# Allegro board LAUNCHXL-CC1350-433.brd (continued)
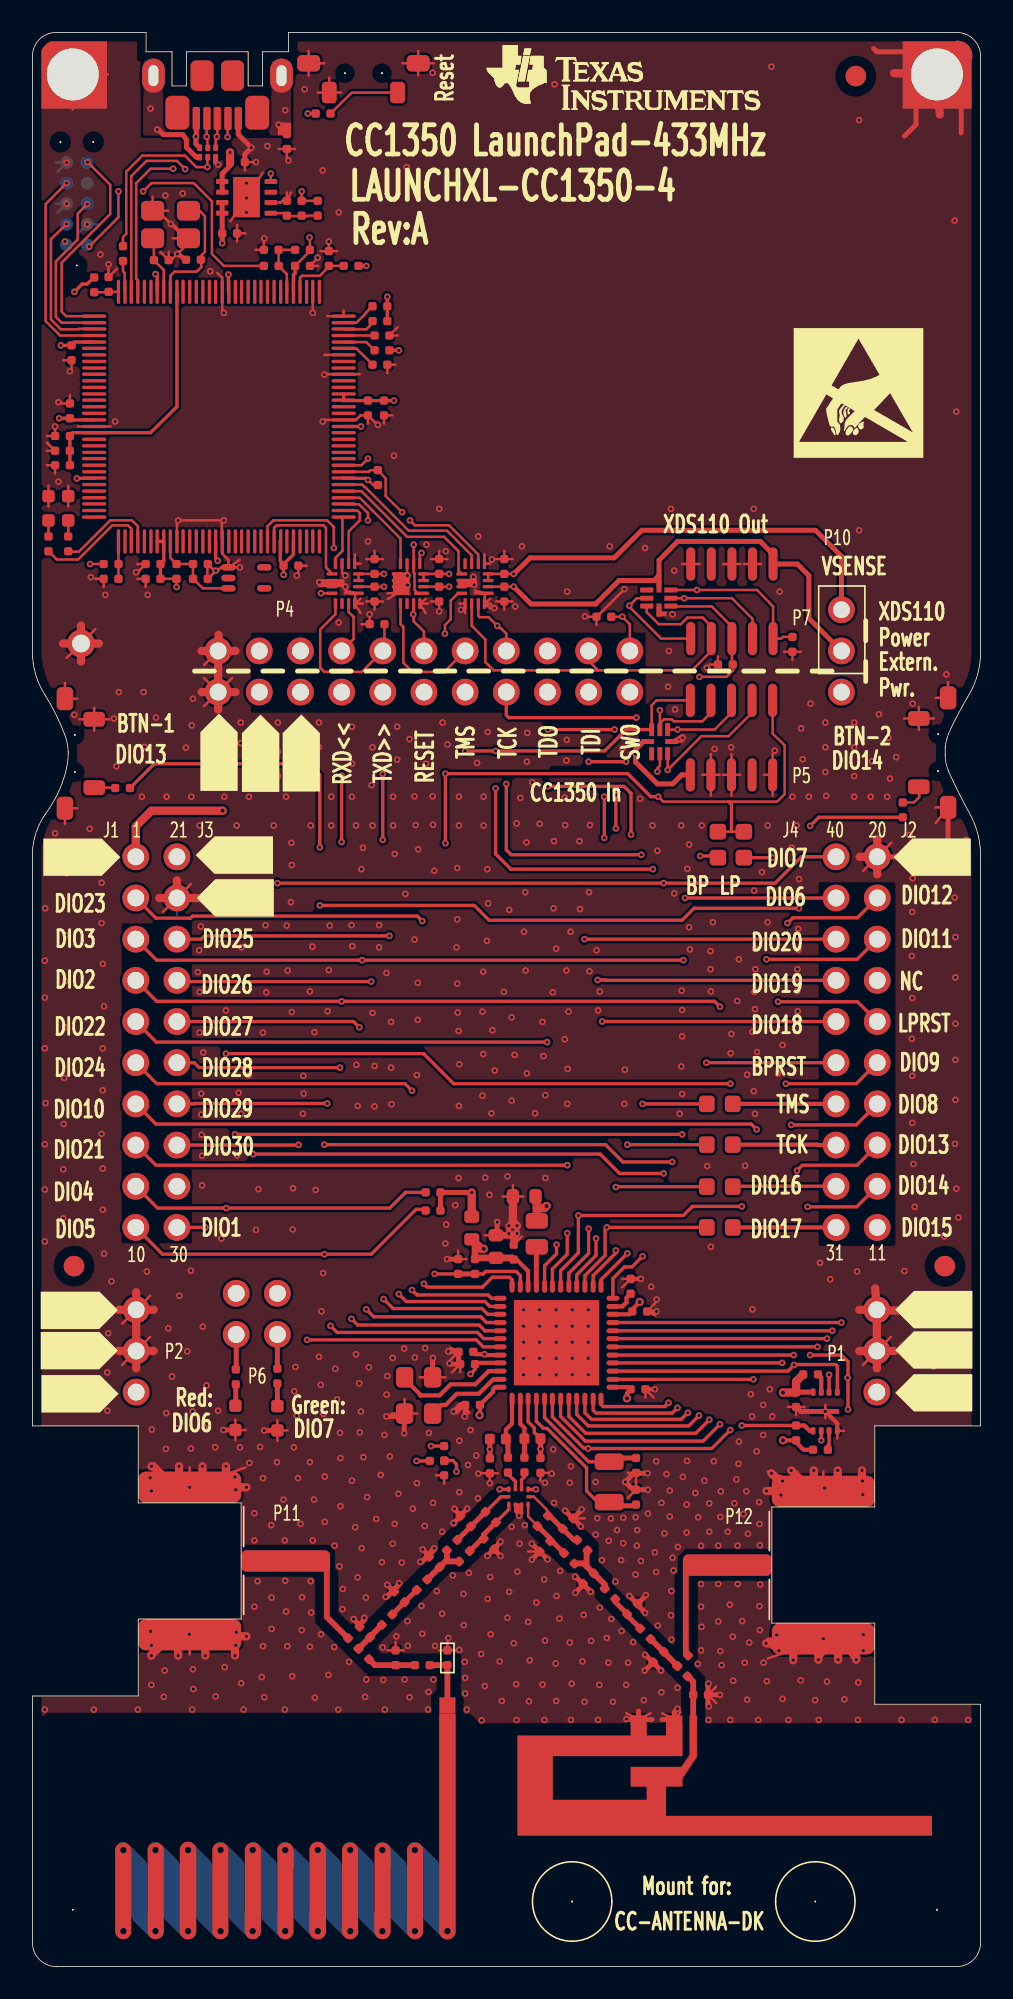
[diagram p0: board, top side]
## Routing (per net, layer and track width the routed paths; a pad name or vN(x,y) marks a point on that pad's centre or on a via; arc(x,y) is an arc through that point) (continued)
VDDC: length 16.2
  TOP w0.203: U5.87 8.92,96.22 8.89,96.19 7.29,94.62 U5.115 2.49,94.62 C43.1 C44.1 C45.1
VDDR: length 25.7
  TOP w0.203: C16.1 27.31,36.83 v1(27.03,36.55)
  TOP w0.254: C16.1 27.38,37.24 U1.45 ; v3(27.58,34.01) 27.58,34.04 27.61,34.06 C9.1 28.42,35.46 28.42,35.61 28.55,35.74 U1.48
  TOP w0.508: 31.12,46.79 31.12,47.42 C8.1 ; 31.12,46.79 L1.2 ; 31.12,46.79 31.6,46.79 v3(31.72,46.91)
  L3 w0.508: 26.37,36.5 26.37,45.77 26.87,46.28 27.81,46.28 28.32,46.79 30.99,46.79 31.12,46.91 v3(31.72,46.91) ; 26.37,36.5 26.37,35.89 27.58,34.67 v3(27.58,34.01) ; 26.37,36.5 26.42,36.55 v1(27.03,36.55)
VDDS: length 46.3
  TOP w0.203: v1(23.7,31.19) R67.1
  TOP w0.254: U1.22 36.83,40.23 C4.1 37.01,40.54 v3(37.47,41) ; C5.1 27.36,37.77 v1(27.89,37.77) 27.94,37.72 U1.44 ; U1.34 30.58,42.9 29.87,43.61 C7.1 ; U1.13 36.78,35.74 C3.1 36.91,35.59 36.68,35.36 v3(36.68,35.05)
  TOP w0.406: C7.1 29.59,43.71 C6.1 27.38,43.71 R1.2 27.31,44.65
  TOP w0.508: v3(27.84,44.27) 27.69,44.27 FL1.1
  L3 w0.203: 28.32,37.34 28.32,33.45 26.06,31.19 v1(23.7,31.19)
  L3 w0.305: 28.32,37.34 v1(27.89,37.77)
  L3 w0.508: 27.89,42.85 27.94,42.9 35.56,42.9 36.68,41.78 36.68,40.97 ; 27.89,42.85 27.89,43.61 27.84,43.66 v3(27.84,44.27) ; 27.89,42.85 v1(27.89,37.77) ; v3(37.47,41) 36.7,41 36.68,40.97 ; 36.68,40.97 v3(36.68,35.05)
CC1350_RESET: length 77
  TOP w0.152: R51.2 R52.1 ; P5.10 45.67,76.05 46.41,75.34 46.41,72.31 45.95,71.86 38.91,71.86 v1(38.61,72.16) ; v1(38.56,73.71) 38.56,73.91 38.71,74.07 CR8.2
  TOP w0.203: R1.1 27.81,42.72 27.97,42.88 29.85,42.88 30.1,42.62 U1.35 ; v1(38.61,72.16) 38.15,72.16 36.73,73.58 v1(25.48,73.58) v1(25.48,69.29) ; 42.95,71.86 43.13,71.68 43.13,70 ; C20.1 v1(24.82,42.72)
  TOP w0.305: R1.1 C20.1
  L3 w0.152: v1(38.61,72.16) 38.61,73.18 38.56,73.23 v1(38.56,73.71)
  L3 w0.203: v1(25.48,69.29) 25.48,52.96 24.82,52.3 v1(24.82,42.72) ; P4.12 24.16,75.72 25.48,74.4 v1(25.48,73.58)
CC1350_RXD: length 93.5
  TOP w0.203: U1.7 32.59,33.93 34.11,32.41 41.38,32.41 v1(42.42,33.45) ; J1.7 7.67,59.54 v1(19.08,59.54) 42.09,59.54 v1(42.42,59.21) ; v1(19.08,69.37) v1(19.08,73.46)
  L3 w0.203: P4.16 v1(19.08,73.46) ; v1(42.42,33.45) v1(42.42,59.21) ; v1(19.08,69.37) v1(19.08,59.54)
CC1350_SW_PWR: length 46.3
  TOP w0.203: v1(16.94,38.66) 27.38,38.66 27.81,38.23 U1.43 ; J1.16 16.41,50.67 v1(16.42,50.69) ; v1(24.59,32.11) R69.2
  L3 w0.203: v1(16.42,50.69) 16.94,50.16 v1(16.94,38.66) 16.94,33.1 17.93,32.11 v1(24.59,32.11)
CC1350_SWO: length 52.7
  TOP w0.203: v1(34.77,44.91) 34.77,43.87 33.58,42.67 U1.28 ; J2.9 v1(35.15,58.29) ; v1(35.28,69.62) v1(35.28,72.16)
  L3 w0.203: P4.2 36.86,78.16 36.35,77.65 36.35,77.62 35.28,76.56 v1(35.28,72.16) ; v1(35.28,69.62) 35.28,65.13 35.64,64.77 35.64,58.78 v1(35.15,58.29) 34.77,57.91 v1(34.77,44.91)
CC1350_TCK: length 67.4
  TOP w0.152: 38.71,76.68 38.96,76.94 39.45,76.94 39.57,76.81 41.33,76.81 41.86,77.34 P5.4 ; 38.71,76.68 v1(38.71,77.5) ; 38.71,76.68 CR8.6
  TOP w0.203: 29.24,78.61 29.24,77.19 29.39,77.04 v1(37.26,77.04) ; v1(36.7,43.99) 35.08,42.37 U1.25 ; v1(36.7,50.7) R47.2 ; v1(29.24,72.95) 29.24,68.88 29.54,68.58 v1(37.57,68.58)
  L3 w0.203: v1(38.71,77.5) 38.25,77.04 v1(37.26,77.04) ; v1(37.57,68.58) 37.57,56.46 37.08,55.98 37.08,52.2 36.7,51.82 v1(36.7,50.7) v1(36.7,43.99) ; v1(29.24,72.95) 29.24,78.61
CC1350_TMS: length 67.9
  TOP w0.152: CR8.7 38.2,77.8 38.51,78.1 P5.2
  TOP w0.203: CR8.7 36.63,76.3 35.31,74.98 v1(28.58,74.98) v1(26.7,74.98) ; U1.24 35.81,42.44 36.53,43.15 36.98,43.15 v1(37.64,43.81) ; R46.2 v1(37.64,53.21) ; v1(28.58,72.67) 28.58,68.63 29.51,67.69 v1(38.28,67.69)
  L3 w0.203: v1(38.28,67.69) 38.28,55.6 37.64,54.97 v1(37.64,53.21) v1(37.64,43.81) ; v1(28.58,72.67) v1(28.58,74.98) ; P4.10 v1(26.7,74.98)
CC1350_TXD: length 90.9
  TOP w0.203: U1.8 33.1,33.93 34.14,32.89 40.92,32.89 v1(41.76,33.73) ; J1.5 7.67,62.08 v1(20.35,62.08) v1(40.16,62.08) ; v1(21.62,69.49) v1(21.62,73.56)
  L3 w0.203: v1(21.62,69.49) 21.62,67.08 20.35,65.81 v1(20.35,62.08) ; v1(21.62,73.56) 21.62,78.61 ; v1(41.76,33.73) 41.76,43.69 40.77,44.68 40.77,61.47 v1(40.16,62.08)
CC1350_VDD: length 157.6
  TOP w0.254: R59.2 47.57,31.88 47.12,32.33 R11.2 v3(46.3,32.46)
  TOP w0.305: U4.8 C30.1 ; v1(27.1,47.75) R2.2 R3.2 ; CR8.8 37.69,75.56 37.21,75.06 v1(37.21,74.8) 37.21,74.29 38.56,72.95 39.5,72.95 40.06,73.51 P5.1
  TOP w0.508: J1.1 6.38,70.33 7.34,71.3 v3(11.73,71.3) ; v3(46.3,35.41) 47.09,35.41 C30.1 47.12,36.09 R60.2 ; FL1.2 v1(27.1,47.75)
  L3 w0.254: v3(46.3,35.41) v3(46.3,32.46)
  L3 w0.305: v1(37.21,74.8) 39.12,74.8 39.7,74.22 39.7,71.5 39.5,71.3
  L3 w0.508: 27.1,71.3 16.54,71.3 ; 27.1,71.3 v1(27.1,47.75) ; 27.1,71.3 49.91,71.3 ; 16.54,71.3 P4.18 ; 16.54,71.3 v3(11.73,71.3) ; 49.91,71.3 P10.3 ; 49.91,71.3 54,71.3 55.7,69.6 55.7,45.87 54.84,45.01 54.84,36.14 54.31,35.61 52.27,35.61 P1.1 46.99,35.43 46.96,35.41 v3(46.3,35.41)
DCDC_SW: length 2.4
  TOP w0.305: L1.1 31.09,44.37 U1.33
DIO1_RF_SW: length 85.8
  TOP w0.203: U1.6 32.08,33.91 34.01,31.98 34.26,31.98 v1(34.29,31.95) 41.91,31.95 v1(43.05,33.1) ; v1(11.94,56.31) 24.13,56.31 25.98,54.46 v1(43.05,54.46) ; v1(31.06,29.44) U11.6 ; J1.20 v1(10.67,45.59)
  L3 w0.203: v1(43.05,33.1) v1(43.05,54.46) ; v1(11.94,56.31) 11.15,55.52 11.15,46.08 v1(10.67,45.59) ; v1(34.29,31.95) 33.96,31.62 33.96,29.64 33.43,29.11 31.39,29.11 v1(31.06,29.44)
DIO4_SCL: length 78
  TOP w0.203: R2.1 23.01,47.75 22.05,46.79 v1(11.96,46.79) 7.72,46.79 J1.17 ; v1(12.5,51.33) v1(40.08,51.33) ; U1.9 33.58,34.06 34.29,33.35 40.49,33.35 v1(41.12,33.99)
  L3 w0.203: v1(41.12,33.99) 41.12,43.1 40.08,44.15 v1(40.08,51.33) ; v1(11.96,46.79) 11.96,50.8 v1(12.5,51.33)
DIO5_SDA: length 71.8
  TOP w0.203: R3.1 24.18,46.71 23.67,46.71 20.9,43.94 v1(18.01,43.94) 8.03,43.94 J1.19 ; v1(39.47,49.63) 36.42,49.63 35.36,50.7 v1(18.01,50.7) ; U1.10 34.09,34.16 34.49,33.76 40.03,33.76 v1(40.44,34.16)
  L3 w0.203: v1(18.01,50.7) v1(18.01,43.94) ; v1(39.47,49.63) 39.47,43.76 40.44,42.8 v1(40.44,34.16)
DIO6_RLED: length 82.6
  TOP w0.203: U1.11 34.59,34.32 34.77,34.14 39.47,34.14 v1(39.8,34.47) ; v1(38.94,48.92) 36.22,48.92 35.03,50.11 v1(13.61,50.11) ; J2.3 v1(40.26,65.91)
  L3 w0.203: v1(39.8,34.47) 39.8,42.52 38.94,43.38 v1(38.94,48.92) 38.94,53.95 39.45,54.46 39.45,65.1 v1(40.26,65.91) ; P6.2 12.67,41.63 12.67,49.17 v1(13.61,50.11)
DIO7_GLED: length 97.8
  TOP w0.203: v1(15.11,66.83) v1(38.94,66.83) 45.82,66.83 47.45,68.45 J2.1 ; v1(39.24,34.77) 39.01,34.54 35.2,34.54 35.08,34.67 U1.12
  L3 w0.203: v1(38.94,66.83) 38.94,55.27 38.3,54.64 38.3,42.8 39.24,41.86 v1(39.24,34.77) ; P6.4 v1(15.11,66.83)
DIO8_MISO: length 45.1
  TOP w0.203: 50.32,36.35 v1(50.32,34.37) ; 50.32,36.35 50.32,37.31 49.91,37.72 v1(47.98,37.72) ; 50.32,36.35 v1(50.29,36.32) ; U4.2 v1(48.67,32.46) ; J2.14 50.83,51.92 v1(46.81,51.92) ; U1.14 v1(44.48,36.22)
  L3 w0.203: v1(44.48,36.22) 46.1,36.22 46.33,35.99 49.96,35.99 v1(50.29,36.32) ; v1(46.81,51.92) 46.33,51.44 46.33,42.11 47.98,40.46 v1(47.98,37.72) ; v1(50.32,34.37) 50.32,32.66 50.11,32.46 v1(48.67,32.46)
DIO9_MOSI: length 40.3
  TOP w0.203: U4.5 49.66,37.03 49.56,37.13 47.02,37.13 v1(46.99,37.11) 46.61,36.73 35.81,36.73 ; J2.12 50.83,54.46 v1(46.48,54.46)
  L3 w0.203: v1(46.99,37.11) 47.04,37.11 47.47,37.54 47.47,40.34 45.92,41.88 45.92,53.9 v1(46.48,54.46)
DIO10_SCLK: length 69
  TOP w0.203: J1.13 7.62,51.97 44.35,51.97 v1(44.68,51.64) ; v1(49.15,36.5) U4.6 ; U1.16 v1(46.25,37.24)
  L3 w0.203: v1(44.68,51.64) 44.68,41.43 46.25,39.85 v1(46.25,37.24) 46.25,36.78 46.53,36.5 v1(49.15,36.5)
DIO11_CS: length 43.6
  TOP w0.203: U1.17 v1(46.96,37.72) ; v1(45.29,62.13) 50.88,62.13 J2.6
  L3 w0.203: v1(45.29,62.13) 45.29,41.58 46.96,39.9 v1(46.96,37.72)
DIO12: length 46.2
  TOP w0.203: U1.18 v1(48.44,38.23) ; v1(46.58,64.36) 46.91,64.69 50.9,64.69 J2.4
  L3 w0.203: v1(48.44,38.23) 48.44,40.64 46.71,42.37 46.71,50.67 47.27,51.23 47.27,57.58 46.58,58.27 v1(46.58,64.36)
DIO13_BTN1: length 97.5
  TOP w0.203: v1(17.73,65.46) 27.25,65.46 28.17,64.54 40.08,64.54 40.82,65.28 v1(47.29,65.28) ; v1(49.02,38.73) U1.19 ; J2.16 50.88,49.43 47.5,49.43 v1(47.17,49.1) ; v1(17.73,69.04) 17.73,73.51 17.04,74.19 7.52,74.19 R56.2
  L3 w0.203: v1(47.29,65.28) 47.78,64.8 47.78,50.8 47.17,50.19 v1(47.17,49.1) 47.17,42.47 48.79,40.84 48.79,38.96 v1(49.02,38.73) ; v1(17.73,65.46) v1(17.73,69.04)
DIO14_BTN2: length 56.3
  TOP w0.203: v1(47.83,46.86) 50.85,46.86 J2.18 ; R55.2 48.51,70.89 v1(47.98,70.36) ; U1.20 v1(49.35,39.22)
  L3 w0.203: v1(49.35,39.22) 49.35,41.2 47.83,42.72 v1(47.83,46.86) 48.16,47.19 48.16,69.72 47.98,69.9 v1(47.98,70.36)
DIO15: length 21.7
  TOP w0.203: U1.21 v1(49.91,39.73)
  L3 w0.203: v1(49.91,39.73) 49.91,43.97 50.44,44.5 51.77,44.5 51.97,44.7 51.97,45.44 J2.20
DIO16_TDO: length 61.6
  TOP w0.152: CR8.5 v1(39.8,76.3) 42.09,76.3 43.13,77.34 P5.6
  TOP w0.203: v1(35.99,44.17) 35.99,44.02 34.59,42.62 U1.26 ; v1(35.92,76.3) v1(31.8,76.3) ; v1(31.8,72.8) 36.5,72.8 36.93,72.36 v1(36.93,69.82) ; R48.2 36.17,48.11 36.14,48.08 v1(35.99,48.08)
  L3 w0.203: v1(35.92,76.3) v1(39.8,76.3) ; 31.78,78.61 31.78,76.33 v1(31.8,76.3) v1(31.8,72.8) ; v1(35.99,44.17) v1(35.99,48.08) 35.99,56.24 36.96,57.2 36.96,67.67 36.5,68.12 36.5,69.39 v1(36.93,69.82)
DIO17_TDI: length 57.6
  TOP w0.152: CR8.3 v1(39.19,73.81) 41.28,75.9 42.95,75.9 44.4,77.34 P5.8
  TOP w0.203: R49.2 v1(35.43,45.59) 35.33,45.49 35.33,43.87 34.09,42.62 U1.27 ; v1(35.99,70.21) v1(35.99,72.26) ; v1(36.63,74.32) v1(34.32,74.32)
  L3 w0.152: 38.68,74.32 v1(39.19,73.81)
  L3 w0.203: 38.68,74.32 v1(36.63,74.32) 35.99,73.69 v1(35.99,72.26) ; v1(35.99,70.21) 35.99,65.3 36.3,65 36.3,57.91 35.43,57.05 v1(35.43,45.59) ; v1(34.32,74.32) P4.4
DIO19_CTS: length 34.4
  TOP w0.203: U1.29 33.1,42.77 34.32,43.99 v1(34.32,45.52) ; J2.7 35.36,60.83 35.33,60.86 v1(34.87,60.86)
  L3 w0.203: v1(34.87,60.86) 34.32,60.3 v1(34.32,45.52)
DIO20_FLASH_CS: length 65.9
  TOP w0.203: J2.5 v1(34.06,63.37) ; U1.30 32.59,42.93 33.68,44.02 v1(33.68,46.33) 40.16,46.33 40.72,46.89 v1(43.76,46.89) ; v1(43.76,33.38) R11.1
  TOP w0.254: U4.1 47.96,33.05 47.62,33.38 R11.1
  L3 w0.203: v1(43.76,46.89) v1(43.76,33.38) ; v1(33.68,46.33) 33.68,62.99 v1(34.06,63.37)
DIO21: length 35
  TOP w0.203: J1.15 7.62,49.43 v1(32.99,49.43) ; v1(32.99,45.24) 32.99,43.94 32.08,43.03 U1.31
  L3 w0.203: v1(32.99,49.43) v1(32.99,45.24)
DIO22: length 41.5
  TOP w0.203: J1.9 7.65,57.02 v1(31.75,57.02) ; U1.32 31.6,43.23 32.33,43.97 v1(32.33,44.53)
  L3 w0.203: v1(32.33,44.53) 32.33,56.44 v1(31.75,57.02)
DIO23_ANALOG: length 47.6
  TOP w0.203: v1(24.16,42.11) 24.36,41.91 27.76,41.91 28.37,42.52 29.44,42.52 29.59,42.37 U1.36 ; J1.3 7.62,64.67 9.75,64.67 9.88,64.8 23.75,64.8 v1(24.05,64.49)
  L3 w0.203: v1(24.16,42.11) 24.16,53.11 24.87,53.82 24.87,63.68 v1(24.05,64.49)
DIO24_ANALOG: length 35.7
  TOP w0.203: v1(23.42,41.73) 23.72,41.43 28.12,41.43 28.32,41.22 U1.37 ; J1.11 7.67,54.46 22.99,54.46 v1(23.42,54.03)
  L3 w0.203: v1(23.42,41.73) v1(23.42,54.03)
DIO25_ANALOG: length 42.1
  TOP w0.203: U1.38 28.22,40.72 27.91,41.02 23.06,41.02 v1(22.61,41.48) ; J1.6 10.41,63.37 10.62,63.58 v1(22.02,63.58)
  L3 w0.203: v1(22.61,41.48) 22.61,63.02 22.35,63.27 22.33,63.27 v1(22.02,63.58)
DIO26_ANALOG: length 39.5
  TOP w0.203: v1(21.67,41.17) 22.25,40.59 27.74,40.59 28.09,40.23 U1.39 ; J1.8 8.99,60.76 v1(20.9,60.76)
  L3 w0.203: v1(21.67,41.17) 21.67,59.99 v1(20.9,60.76)
DIO27_ANALOG: length 37.6
  TOP w0.203: v1(20.6,40.54) 21.06,40.08 27.66,40.08 28.02,39.73 U1.40 ; J1.10 19.81,58.29 v1(20.17,57.94)
  L3 w0.203: v1(20.6,40.54) 20.6,57.51 v1(20.17,57.94)
DIO28_ANALOG: length 35.4
  TOP w0.203: v1(19.69,39.95) 20.07,39.57 27.56,39.57 27.91,39.22 U1.41 ; v1(18.97,55.45) 10.29,55.45 9.98,55.75 J1.12
  L3 w0.203: v1(19.69,39.95) 19.69,40 19.58,40.11 19.58,54.84 v1(18.97,55.45)
DIO29_ANALOG: length 34.3
  TOP w0.203: U1.42 27.84,38.73 27.46,39.12 18.8,39.12 v1(18.39,39.52) ; v1(18.19,53.24) 10.01,53.24 9.98,53.21 J1.14
  L3 w0.203: v1(18.39,39.52) 18.87,40 18.87,52.55 v1(18.19,53.24)
IRSTN: length 17.3
  TOP w0.152: v1(5.31,109.5) 5.31,107.9 v1(3.51,106.1) ; v1(6.83,109.5) 7.34,110.01 9.96,110.01 11.07,108.89 11.07,105.64 11.81,104.9 R20.2
  L3 w0.152: v1(5.31,109.5) v1(6.83,109.5)
ITCK: length 12.4
  TOP w0.152: U5.100 1.7,100.61 0.81,101.5 0.81,108.71 v1(2.11,110.01)
ITDI: length 10.3
  TOP w0.152: U5.98 1.8,101.4 1.45,101.75 1.45,105.18 2.79,106.53 2.79,108.13 v1(3.38,108.71)
ITDO: length 13.2
  TOP w0.152: v1(3.4,111.3) 4.8,109.91 4.8,108.1 1.8,105.11 1.8,102.08 2.08,101.8 U5.97
ITMS: length 9.2
  TOP w0.152: U5.99 2.84,101.02 2.82,100.99 1.75,100.99 1.14,101.6 1.14,106.55 v1(2.11,107.49)
LP_RESET: length 17.4
  TOP w0.203: v1(45.67,68.4) R51.1 ; v1(46,59.51) 50.9,59.51 J2.10
  L3 w0.203: v1(45.67,68.4) 46,68.07 v1(46,59.51)
Net_7: length 1.7
  TOP w0.152: 19.2,92.61 20.29,92.61 v1(20.7,93.01)
Net_24:
  vias: v2(21.59,7.19) v2(23.6,2.18)
Net_25:
  vias: v2(19.61,7.19) v2(21.59,2.18)
Net_26:
  vias: v2(17.6,7.19) v2(19.61,2.18)
Net_27:
  vias: v2(15.6,7.19) v2(17.6,2.18)
Net_28:
  vias: v2(13.59,7.19) v2(15.6,2.18)
Net_29:
  vias: v2(11.61,7.19) v2(13.59,2.18)
Net_30:
  vias: v2(9.6,7.19) v2(11.61,2.18)
Net_31:
  vias: v2(7.59,7.19) v2(9.6,2.18)
Net_32:
  vias: v2(5.61,7.19) v2(5.61,2.18) v2(7.59,2.18)
Net_33:
  vias: v2(23.6,7.19) v2(25.6,2.18)
USB_DM: length 14.1
  TOP w0.152: CR6.5 10.8,112.19 10.8,112.83 v1(10.74,112.88) 10.74,114 J6.2 ; U5.93 6.5,104.01 6.4,104.11 6.4,110.01 7.29,110.9 v1(8.69,110.9)
  L3 w0.152: v1(8.69,110.9) 9.07,111.2 v1(10.74,112.88)
USB_DP: length 15.7
  TOP w0.152: J6.3 11.4,112.9 v1(11.38,112.88) 11.3,112.8 CR6.4 ; v1(9.42,110.87) 8.92,111.38 7.04,111.38 6.1,110.44 U5.94
  L3 w0.152: v1(11.38,112.88) v1(9.42,110.87)
USB_ID: length 14.6
  TOP w0.152: CR6.2 10.8,111.61 v1(10.8,111) 10.11,111 9.4,111.71 6.78,111.71 5.79,110.72 5.79,106.88 5.59,106.68 R19.2 ; J6.4 12.04,114 v1(12.04,112.85)
  L3 w0.152: v1(12.04,112.85) 11.73,112.55 11.68,112.55 10.8,111.66 v1(10.8,111)
USB_VBUS: length 56.2
  TOP w0.152: R22.2 v1(3.56,86.51) ; U7.8 v1(14.71,110.59)
  TOP w0.203: v1(2.59,103.3) 3.07,103.78 3.38,103.78 R66.1
  TOP w0.305: U7.2 U7.1 11.71,110.59 12.19,111.07 C48.1 ; J6.1 10.11,112.9 v1(10.08,112.88) 10.08,112.42 CR6.6
  TOP w0.508: v1(12.19,111.91) C48.1
  L3 w0.508: 11.23,110.11 4.7,110.11 3.94,109.35 1.85,109.35 0.76,108.25 0.76,103.4 ; 0.76,103.4 0.84,103.3 v1(2.59,103.3) ; 0.76,103.4 0.76,89.31 v1(3.56,86.51) 4.17,86.51 7.37,83.31 11.86,83.31 P4.19
V-SENSE: length 41.6
  TOP w0.152: v1(21.69,85.12) C53.1 U8.2 ; U10.2 C55.1 v1(25.7,85.12) ; U9.2 C57.1 v1(29.69,85.12)
  TOP w0.305: 38.66,85.8 38.66,86.74 39.8,87.91 44.91,87.91 45.69,87.1 P7.1 47.19,86.51 47.9,85.8 47.9,83.16 P10.2 ; 38.66,85.8 38.35,85.5 36.2,85.5 34.75,84.05 30.76,84.05 v1(29.69,85.12) ; 38.66,85.8 CR7.8
  L3 w0.305: v1(29.69,85.12) 29.21,85.12 28.83,84.71 26.57,84.71 26.19,85.12 v1(25.7,85.12) 25.22,85.12 24.82,84.71 22.89,84.71 22.83,84.76 22.05,84.76 v1(21.69,85.12)
XDS_RESET: length 11.6
  TOP w0.152: U5.40 20.75,92.2 20.85,92.3 R58.1 21.79,91.8 21.79,90.7 v1(22.81,89.71) ; U10.1 23.77,84.71 23.57,84.91 23.57,85.93 23.52,86 U10.6 v1(23.52,87.71)
  L3 w0.152: v1(23.52,87.71) 23.8,87.99 23.8,89.41 23.5,89.71 v1(22.81,89.71)
XDS_RESET_LS: length 64.6
  TOP w0.152: R57.2 v1(16.99,114.3) ; v1(23.5,83.41) 23.5,84.07 U10.15 23.52,82.98 24.16,82.35 P4.11 ; CR7.2 37.29,84.4 v1(36.83,83.95) 36.83,83.87 38.79,81.92 P7.10
  L3 w0.152: v1(16.99,114.3) 22.78,114.3 23.75,113.33 23.75,90.17 24.43,89.48 25.27,89.48 25.3,89.51 26.9,89.51 30.3,86.11 30.3,84.96 29.87,84.53 ; 29.87,84.53 29.51,84.53 29.29,84.3 24.41,84.3 v1(23.5,83.41) ; 29.87,84.53 30.53,84.53 30.76,84.3 36.47,84.3 v1(36.83,83.95)
XDS_RX: length 3.1
  TOP w0.152: U8.8 18.69,86.89 19.13,87.33 19.13,89.33 U5.33
XDS_RX_LS: length 10.5
  TOP w0.152: R61.2 21.72,81.25 20.32,79.86 18.01,79.86 17.75,80.11 17.75,82.47 18.69,83.41 U8.13
XDS_SWO: length 7.2
  TOP w0.152: U8.9 18.11,86.31 18.11,88.75 17.96,88.9 15.06,88.9 14.91,88.75 U5.25
XDS_SWO_LS: length 23.8
  TOP w0.152: U8.12 v1(17.81,84.71) ; P4.1 36.86,82.8 v1(36.4,83.26) R62.2
  L3 w0.152: v1(36.4,83.26) 35.81,83.85 30.89,83.85 30.28,83.24 27.43,83.24 26.9,82.7 19.81,82.7 v1(17.81,84.71)
XDS_TCK: length 10.4
  TOP w0.152: v1(23.29,89.2) 23.6,88.9 25.7,88.9 27.51,87.1 U9.6 ; v1(20.7,89.2) 20.7,89.66 20.14,90.2 19.2,90.2 U5.35
  L3 w0.152: v1(23.29,89.2) v1(20.7,89.2)
XDS_TDI: length 10.2
  TOP w0.152: U5.38 20.35,91.41 20.5,91.26 20.52,91.26 23.22,88.57 25.58,88.57 27.1,87.05 U9.7
XDS_TDI_LS: length 26.6
  TOP w0.152: P4.3 34.34,81.13 34.34,80.52 34.9,79.96 ; 34.9,79.96 40.69,79.96 41.88,81.15 P7.8 41.88,82.65 41.35,83.21 40.41,83.21 40.01,82.8 38.63,82.8 37.9,83.54 CR7.3 ; 34.9,79.96 28.45,79.96 27.94,80.47 27.94,81.86 27.1,82.7 U9.14
XDS_TDO: length 10.1
  TOP w0.152: U5.37 20.29,91.01 23.11,88.19 25.4,88.19 26.29,87.3 26.29,86.11 U9.9
XDS_TDO_LS: length 31.6
  TOP w0.152: 43.23,80.31 R63.2 43.23,80.31 ; 43.23,80.31 43.23,79.96 42.82,79.55 v1(41.15,79.55) ; 43.23,80.31 43.15,80.37 P7.6 43.15,82.65 41.91,83.9 39.4,83.9 CR7.5 ; v1(25.45,82.22) 25.45,82.75 25.81,83.11 25.81,84.25 26.26,84.71 U9.12
  L3 w0.152: 40.36,79.93 40.74,79.55 v1(41.15,79.55) ; 31.89,79.93 25.76,79.93 25.45,80.24 v1(25.45,82.22) ; 31.89,79.93 31.89,81.04 31.78,81.15 ; 31.89,79.93 40.34,79.93
XDS_TMS: length 6.1
  TOP w0.152: U5.36 20.19,90.6 22.71,88.09 U10.8
XDS_TMS_DIR: length 12.9
  TOP w0.152: U5.24 14.5,88.85 14.86,89.2 18.19,89.2 18.59,88.8 v1(18.59,87.5) ; v1(24,87.2) 23.9,87.12 U10.5
  L3 w0.152: v1(24,87.2) 18.9,87.2 v1(18.59,87.5)
XDS_TMS_LS: length 34.6
  TOP w0.152: P4.9 25.4,79.86 23.44,79.86 22.89,80.42 22.89,82.63 22.71,82.8 U10.13 ; R65.2 46.3,82.02 46.18,81.92 P7.2 45.69,83.9 44.7,84.91 v1(41,84.91) CR7.7
  L3 w0.152: v1(41,84.91) 41,84 39.27,82.27 27.81,82.27 P4.9
XDS_TX: length 4.5
  TOP w0.152: U5.34 20.04,89.81 20.19,89.66 20.19,89.2 19.51,88.52 U8.6
XDS_TX_LS: length 3.4
  TOP w0.152: U8.15 19.51,83.54 19.81,83.26 19.81,81.89 P4.15
XDS_VCC: length 86.7
  TOP w0.152: v1(29.69,85.9) C56.1 U9.4 U9.3 ; U8.3 U8.4 C52.1 v1(21.69,85.9) ; v1(17.09,106.65) 17.12,106.63 R17.2 17.12,105.82 C38.1 ; v1(8.89,85.09) R18.2 8.89,85.7 8.79,85.6 C42.1 ; U10.3 U10.4 C54.1 v1(25.7,85.9) ; v1(20.7,91.69) 21.03,91.39 R58.2 ; v1(16.61,109.5) C47.1 R33.2
  TOP w0.203: U5.16 11.3,86.84 v1(11.43,86.72) ; 15.49,86.51 C35.1 v1(15.49,85.85) ; 15.49,86.51 16.1,87.1 U5.28 ; 15.49,86.51 15.29,86.72 15.29,87.91 U5.26 ; C38.1 16.21,104.44 16.1,104.34 U5.69 ; R27.1 R39.1 v1(21.89,103) ; C42.1 C41.1 8.1,86.69 U5.8 U5.7 ; v1(1.65,95.5) C36.1 2.39,95.4 U5.113 ; U5.79 12.09,103.33 v1(12.09,104.37) ; v1(22.61,99.69) R30.2 ; v1(2.74,91.8) 3.81,91.8 U5.122 ; v1(7.59,104.39) 7.7,104.29 U5.90 ; U5.47 v1(20.27,95) ; R31.2 v1(20.6,104.9) ; U5.52 U5.51 19.2,96.6 C39.1 C40.1 v1(22.3,96.6) ; v1(20.7,91.69) 20.6,91.8 19.2,91.8 U5.39 ; v1(1.75,100) C37.1 2.59,100.2 U5.101
  TOP w0.305: v1(11.71,106.3) C49.1 U7.4 U7.3 ; P10.1 49.91,87 48.31,88.6 37.59,88.6 35.89,86.89 30.71,86.89 v1(29.69,85.9)
  L3 w0.152: v1(16.61,109.5) 16.61,107.11
  L3 w0.305: v1(15.49,85.85) 16.54,84.81 P4.17 ; 17.6,87.5 18.59,86.51 21.11,86.51 v1(21.69,85.9) 22.1,86.31 25.3,86.31 v1(25.7,85.9) 26.04,86.23 29.36,86.23 v1(29.69,85.9)
  L3 w0.508: 15.19,85.19 15.24,85.19
  vias: v1(2.01,106.4)
N1013277: length 7.1
  TOP w0.254: 28.85,36.73 28.14,36.73 27.33,35.92 25.81,35.92 25.12,35.23 23.93,35.23 23.93,35.28 22.96,36.25 Y2.3
N1013855: length 4.2
  TOP w0.203: U11.10 28.91,28.98 27.97,28.04 27.95,28.05
  TOP w0.305: L12.1 C11.1 27.94,28.04 27.97,28.04 27.95,28.05
N1013859: length 3.9
  TOP w0.203: L30.1 29.39,28.19 U11.1
  TOP w0.305: C22.1 27.74,26.39 L27.1 27.84,26.64 L30.1
N1013907: length 3.2
  TOP w0.356: L13.1 C12.1 25.58,25.1 ; 26.33,24.98 26.34,24.99 25.65,24.99 25.58,25.1 ; 25.58,25.1 25.58,25.68 25.57,25.67
N1013927: length 2.1
  TOP w0.305: 23.71,23.23 C13.1 L14.1
N1013977: length 3.6
  TOP w0.356: A1.1 L33.1 C71.2
N1014101: length 10.5
  TOP w0.203: U1.4 31.09,33.63 31.52,33.2 31.75,33.2 34.19,30.76 34.19,29.34 34.7,28.83 35.41,28.83 Y1.1
  TOP w0.305: C17.1 37.16,28.42 36.3,28.42 36.07,28.65 Y1.1
N1014113: length 8
  TOP w0.203: Y1.2 34.32,31.14 31.6,33.86 U1.5
  TOP w0.305: C18.1 36.4,31.37 36.17,31.14 Y1.2
N1018952: length 5
  TOP w0.254: Y2.1 25.22,34.65 25.5,34.65 26.19,35.33 27.53,35.33 28.42,36.22 U1.47
N1105722: length 1.4
  TOP w0.305: R15.1 CR1.2
N1105771: length 1.3
  TOP w0.305: CR2.2 12.55,34.62 R14.1
N1105824: length 2.2
  TOP w0.305: P6.1 12.57,36.86 R14.2
N1106228: length 2.1
  TOP w0.305: P6.3 R15.2
N1176544: length 6.4
  TOP w0.254: R46.1 J2.13
N1176548: length 6.4
  TOP w0.254: J2.15 48.46,50.67 48.44,50.7 R47.1
N1176568: length 6.4
  TOP w0.203: R48.1 43.23,48.13 J2.17
N1177007: length 6.4
  TOP w0.254: R49.1 J2.19
N1240270: length 23
  TOP w0.152: P7.4 44.42,83.13 43.15,84.4 v1(40.21,84.4) CR7.6 ; 29.24,81.15 29.24,82.22 28.91,82.55 28.88,82.55 28.73,82.7 v1(28.68,82.7) 28.14,83.24 27.58,83.24 27.51,83.31 U9.15
  L3 w0.152: v1(40.21,84.4) 39.6,84.4 37.9,82.7 v1(28.68,82.7)
N1288065: length 1.8
  TOP w0.152: SW2.3 54.71,72.77 54.71,72.14 54.38,71.81 R55.1
N1288098: length 1.3
  TOP w0.152: R56.1 5.08,72.72 SW1.4
N1299607: length 22.1
  TOP w0.203: v1(41.2,68.5) 41.81,68.5 41.83,68.53 42.16,68.53 R52.2 ; J2.11 v1(41.58,55.75)
  L3 w0.203: v1(41.58,55.75) 41.2,56.13 v1(41.2,68.5)
N1384129: length 4.7
  TOP w0.152: SW3.3 19.71,115.6 R57.1
N1393569: length 1.6
  TOP w0.254: U1.23 36.4,40.72 36.65,40.97 36.65,41.25 C19.1
N1403554: length 9.4
  TOP w0.203: U1.3 30.58,33.6 30.96,33.22 30.96,32.94 L29.2
  TOP w0.305: C58.1 v1(31.34,31.93) L29.2 ; C65.1 v1(28.22,31.9) L28.2
  L3 w0.203: v1(31.34,31.93) 31.34,32.38 31.17,32.56 28.4,32.56 28.22,32.38 v1(28.22,31.9)
N1414078: length 2.1
  TOP w0.356: 21.55,21.07 20.83,20.35 C14.1 C15.1
N1417883: length 3.8
  TOP w0.254: U1.1 29.59,33.5 29.21,33.12 L28.1
  TOP w0.305: L28.1 29.34,32.41 C63.1
N1418253: length 3.7
  TOP w0.254: U1.2 30.1,33.48 30.35,33.22 L29.1
  TOP w0.305: C64.1 L29.1
N1419138: length 4.1
  TOP w0.152: 31.15,27.17 31.17,27.18 30.58,27.76 U11.4
  TOP w0.305: 31.93,26.24 31.94,26.25 31.93,26.24 ; 31.93,26.24 32.05,26.24 L21.1 ; 31.93,26.24 31.93,26.42 31.17,27.18 31.15,27.17
N1419146: length 4.5
  TOP w0.152: 31.75,28.09 31.8,28.04 L31.1 31.75,27.86 31.75,28.09 ; 31.75,28.09 31.75,28.17 30.94,28.98 U11.5
  TOP w0.305: L31.1 31.9,27.81 L11.1 33.4,26.31 C60.1
N1419182: length 3.7
  TOP w0.356: 34.19,24.69 C61.1 35.31,23.57 L25.1 ; 34.19,24.69 34.01,24.87 33.43,24.87 33.44,24.85 ; 34.19,24.69 34.19,25.63 34.24,25.68 34.25,25.67
N1419210: length 2.5
  TOP w0.305: 36.7,21.74 35.94,22.5 35.94,22.68 35.95,22.67 ; 36.7,21.74 36.69,21.73 36.7,21.74 ; 36.7,21.74 36.7,21.64 L26.1
N1419230: length 2.8
  TOP w0.356: C24.1 40.44,17.91 40.77,17.58 C59.1 A2.1
N1419286: length 2.4
  TOP w0.356: 38.94,19.41 C68.2 38.94,19.41 ; 38.94,19.41 38.14,20.21 ; 38.94,19.41 39.78,18.57 39.78,18.54 39.76,18.55
N1420906: length 1.1
  TOP w0.203: C64.2 30.35,30.2 30.18,30.02 U11.7
N1421284: length 5.1
  TOP w0.203: U11.9 v1(28.83,29.44) ; R68.2 25.93,31.22 26.16,30.99 v1(26.16,30.53)
  L3 w0.203: v1(26.16,30.53) 27.33,29.36 28.75,29.36 v1(28.83,29.44)
N1433060: length 3
  TOP w0.356: 20.76,18.96 21.13,18.59 L32.1 C71.1
N1447877: length 1.2
  TOP w0.203: R59.1 49.07,32.13 49.15,32.21 U4.3
N1447884: length 1.2
  TOP w0.254: U4.7 48.67,36.32 R60.1
N1465309: length 1.2
  TOP w0.203: C63.2 29.34,30.38 29.79,29.92 U11.8
N1466589: length 7.5
  TOP w0.356: P11.1 17.48,25.02 18.16,24.61 18.16,21.56 19.47,20.26
N1466981: length 8.1
  TOP w0.356: P12.1 40.46,24.76 40.31,24.61 40.31,19.3 40.44,19.18 40.45,19.19
N1587996: length 3.8
  TOP w0.152: U5.70 15.7,104.39 R20.1 R21.1 R17.1
N1588002: length 2.1
  TOP w0.152: U5.60 20.6,100.2 R30.1
N1588004: length 3.1
  TOP w0.152: 16.61,107.98 C47.2 16.61,107.98 ; 16.61,107.98 17.04,107.98 17.07,108 R33.1 ; 16.61,107.98 15.7,107.98 ; 15.7,107.98 R34.2 15.7,107.98 ; 15.7,107.98 15.52,108.15 U7.5
N1588016: length 2.2
  TOP w0.152: U5.59 19.2,99.8 19.99,99.8 20.98,98.83 R28.2
N1588028: length 2.3
  TOP w0.152: U5.1 R22.1 R24.1
N1588034: length 3.6
  TOP w0.152: Y3.3 7.42,106.32 7.49,106.25 C34.1 8.1,104.65 U5.89
N1588038: length 7.6
  TOP w0.152: U5.88 8.51,104.29 8.76,104.55 10.13,104.55 10.41,104.83 10.41,105.26 C33.1 10.29,105.38 10.44,105.54 10.44,105.56 10.64,105.77 10.64,107.98 10.31,108.31 Y3.1
N1588066: length 5.9
  TOP w0.152: U5.9 8.51,86.89 R18.1 C32.1 C50.1 10.52,85.01 U6.3
N1588110: length 2
  TOP w0.152: R19.1 5.59,104.57 5.69,104.47 5.69,103.3 U5.95
N1588130: length 2.2
  TOP w0.152: R39.2 20.96,102.41 20.57,102.01 20.57,101.98 19.99,101.4 U5.63
N1588132: length 1.9
  TOP w0.152: U5.61 R29.1
N1588134: length 2.1
  TOP w0.152: U5.62 19.2,100.99 20.6,100.99 20.98,101.37 R27.2
N1588248: length 3.9
  TOP w0.152: 18.34,104.9 R31.1 ; 18.34,104.9 C46.1 ; 18.34,104.9 17.73,104.29 16.64,104.29 16.51,104.17 U5.68
N1588328: length 7.1
  TOP w0.152: R23.2 1.5,86.79 2.82,86.79 4.93,88.9 5.89,88.9 6.1,88.7 U5.3
N1588330: length 6.2
  TOP w0.152: U5.4 6.5,88.85 6.15,89.2 4.8,89.2 2.87,87.27 2.21,87.27 R25.2
N1588336: length 3.6
  TOP w0.305: v1(7.7,113.31) 7.77,113.31 8.08,113 9.27,113 9.5,112.7 9.5,112.22 10.11,111.61 CR6.1
  vias: v1(7.29,114.6) v1(15.19,113.61) v1(15.6,114.5)
N1588554: length 1.5
  TOP w0.152: R66.2 4.67,103.28 C70.1 U5.96
N15894280: length 1
  TOP w0.152: R23.1 CR4.2
N15894940: length 1
  TOP w0.152: R25.1 CR5.2

## Copper pours and planes (outline as drawn; the poured copper is in the pictures)
GND on TOP (solid shape): 23.27,84.61 22.25,84.61 22.25,86 23.27,86
GND on TOP (solid shape): 4.6,114.6 0.56,114.6 0.56,118.15 0.78,118.52 1.15,118.75 4.6,118.75
GND on TOP (solid shape): 57.33,118.75 57.58,118.62 57.78,118.44 57.87,118.3 57.94,118.15 57.94,114.6 53.7,114.6 53.7,118.75
GND on BOTTOM (solid shape): 4.6,114.6 0.56,114.6 0.56,118.15 0.78,118.52 1.15,118.75 4.6,118.75
GND on BOTTOM (solid shape): 57.33,118.75 57.58,118.62 57.78,118.44 57.87,118.3 57.94,118.15 57.94,114.6 53.7,114.6 53.7,118.75
GND on L2 (solid shape): 4.6,114.6 0.56,114.6 0.56,118.15 0.78,118.52 1.15,118.75 4.6,118.75
GND on L2 (solid shape): 57.33,118.75 57.58,118.62 57.78,118.44 57.87,118.3 57.94,118.15 57.94,114.6 53.7,114.6 53.7,118.75
GND on L3 (solid shape): 4.6,114.58 0.56,114.58 0.56,118.13 0.78,118.49 1.15,118.72 4.6,118.72
GND on L3 (solid shape): 57.33,118.75 57.58,118.62 57.78,118.44 57.87,118.3 57.94,118.15 57.94,114.6 53.7,114.6 53.7,118.75
GND on TOP: 0.56,15.01 0.56,68.5 0.81,69.99 1.54,71.32 2.75,74.8 1.54,78.29 1.38,78.51 1.24,78.74 0.73,79.88 0.56,81.1 0.56,117.83 0.82,118.48 1.47,118.75 6.45,118.75 6.45,117.55 6.68,117.55 6.68,112.8 16.1,112.8 16.1,117.55 16.36,117.55 16.36,118.75 57.05,118.75 57.68,118.47 57.94,117.83 57.94,81.1 57.77,79.88 57.28,78.74 57.13,78.51 56.96,78.29 55.74,74.8 56.96,71.32 57.69,69.99 57.94,68.5 57.94,15.01 ; 20 cut-outs
GND on BOTTOM: 0.56,15.01 0.56,68.5 0.81,69.99 1.54,71.32 2.75,74.8 1.54,78.29 1.38,78.51 1.24,78.74 0.73,79.87 0.56,81.1 0.56,117.83 0.82,118.48 1.47,118.75 6.45,118.75 6.45,112.9 16.36,112.9 16.36,118.75 57.05,118.75 57.68,118.47 57.94,117.83 57.94,81.1 57.77,79.88 57.28,78.74 57.13,78.51 56.96,78.29 55.74,74.8 56.96,71.32 57.69,69.99 57.94,68.5 57.94,15.01 ; 3 cut-outs
GND on L2: 57.94,81.1 57.8,79.97 57.39,78.92 57.18,78.6 56.96,78.29 55.74,74.8 56.96,71.32 57.69,69.99 57.94,68.5 57.94,14.99 27.53,14.99 26.9,15.62 0.56,15.62 0.56,68.5 0.81,69.99 1.54,71.32 2.75,74.8 1.54,78.29 1.31,78.6 1.11,78.92 0.7,79.98 0.56,81.1 0.56,117.64 0.58,117.63 0.61,117.63 0.65,117.64 0.69,117.68 1.12,118.24 1.73,118.62 1.78,118.64 1.8,118.69 1.8,118.72 1.79,118.75 6.45,118.75 6.45,112.85 16.05,112.85 16.05,117.55 16.36,117.55 16.36,118.75 56.93,118.75 56.92,118.72 56.87,118.54 56.87,118.49 56.9,118.44 57.32,118.1 57.63,117.65 57.67,117.61 57.73,117.6 57.91,117.65 57.94,117.66
GND on L3: 0.51,15.01 0.51,68.5 0.76,69.99 1.49,71.32 2.7,74.8 1.49,78.29 1.33,78.51 1.19,78.74 0.68,79.87 0.51,81.1 0.51,117.83 0.77,118.48 1.42,118.75 6.4,118.75 6.4,117.55 8,117.55 8,115.44 10.01,115.44 10.01,117.55 12.7,117.55 12.7,115.44 14.71,115.44 14.71,117.55 16.31,117.55 16.31,118.75 57,118.75 57.63,118.47 57.89,117.83 57.89,81.1 57.72,79.88 57.23,78.74 57.08,78.51 56.91,78.29 55.69,74.8 56.91,71.32 57.64,69.99 57.89,68.5 57.89,15.01 ; 16 cut-outs
Net_12 on TOP (solid shape): 37.9,14.25 39.09,14.25 39.09,15.01 40.11,15.01 40.11,12.98 32.11,12.98 32.11,10.29 37.9,10.29 37.9,11.1 36.91,11.1 36.91,12.32 40.03,12.32 40.54,13.06 40.54,15.01 41,15.01 41,12.93 40.11,11.61 40.11,11.1 39.09,11.1 39.09,9.3 55.5,9.3 55.5,8.08 29.92,8.08 29.92,14.25 36.91,14.25 36.91,15.01 37.9,15.01
Net_24 on BOTTOM (solid shape): 21.26,6.83 21.25,7.53 21.95,7.54 22.94,6.55 23.05,6.39 23.09,6.2 23.09,3.4 23.95,2.54 23.95,1.83 23.24,1.83 22.23,2.84 22.13,3.01 22.1,3.2 22.1,5.99
Net_25 on BOTTOM (solid shape): 19.25,6.83 19.25,7.54 19.96,7.54 20.96,6.55 21.05,6.39 21.08,6.2 21.08,3.4 21.95,2.54 21.96,1.84 21.26,1.83 20.24,2.84 20.13,3.01 20.09,3.2 20.09,5.99
Net_26 on BOTTOM (solid shape): 17.25,6.83 17.25,7.54 17.96,7.54 18.95,6.55 19.05,6.39 19.08,6.2 19.08,3.4 19.96,2.54 19.96,1.83 19.25,1.83 18.24,2.84 18.13,3.01 18.08,3.2 18.08,5.99
Net_27 on BOTTOM (solid shape): 15.24,6.83 15.24,7.54 15.95,7.54 16.94,6.55 17.05,6.39 17.09,6.2 17.09,3.4 17.96,2.54 17.96,1.83 17.25,1.83 16.23,2.84 16.12,3.01 16.08,3.2 16.08,5.99
Net_28 on BOTTOM (solid shape): 13.26,6.83 13.26,7.54 13.97,7.54 14.94,6.55 15.05,6.39 15.09,6.2 15.09,3.4 15.95,2.54 15.95,1.83 15.24,1.83 14.22,2.84 14.13,3.01 14.1,3.2 14.1,5.99
Net_29 on BOTTOM (solid shape): 11.25,6.83 11.25,7.54 11.96,7.54 12.95,6.55 13.05,6.39 13.08,6.2 13.08,3.4 13.94,2.54 13.96,1.84 13.26,1.83 12.24,2.84 12.13,3.01 12.09,3.2 12.09,5.99
Net_30 on BOTTOM (solid shape): 9.25,6.83 9.25,7.54 9.96,7.54 10.95,6.55 11.06,6.39 11.1,6.2 11.1,3.4 11.96,2.54 11.96,1.83 11.25,1.83 10.24,2.84 10.12,3.01 10.08,3.2 10.08,5.99
Net_31 on BOTTOM (solid shape): 7.24,6.83 7.24,7.54 7.95,7.54 8.94,6.55 9.05,6.39 9.09,6.2 9.09,3.4 9.96,2.54 9.96,1.83 9.25,1.83 8.23,2.84 8.12,3.01 8.08,3.2 8.08,5.99
Net_32 on BOTTOM (solid shape): 5.26,6.83 5.25,7.53 5.94,7.54 6.93,6.55 7.05,6.39 7.09,6.2 7.09,3.4 7.95,2.54 7.95,1.83 7.24,1.83 6.22,2.84 6.12,3.01 6.1,3.2 6.1,5.99
Net_33 on BOTTOM (solid shape): 23.24,6.83 23.24,7.54 23.95,7.54 24.94,6.55 25.05,6.39 25.1,6.2 25.1,3.4 25.96,2.54 25.96,1.83 25.25,1.83 24.23,2.84 24.12,3.01 24.08,3.2 24.08,5.99
USB_VBUS on L3: 10.31,113.89 12.4,113.89 14.91,111.4 14.91,110.31 14.3,109.7 8.89,109.7 7.9,110.69 7.9,111.51
XDS_VCC on L3: 3.4,108.2 21.11,108.2 23.09,106.2 23.09,92.61 14.61,84.1 7.49,84.1 1.09,90.5 1.09,105.89
N1588336 on TOP: 6.78,112.9 6.78,117.6 8.1,117.6 8.1,115.49 10.01,115.49 10.01,117.6 12.8,117.6 12.8,115.49 14.71,115.49 14.71,117.6 16.05,117.6 16.05,112.9 ; 1 cut-out
N1588336 on TOP: 10.11,115.54 10.06,115.55 10.06,117.55 12.75,117.55 12.75,115.65 14.45,115.65 14.45,115.06 14.76,115.06 14.76,117.55 15.95,117.55 15.95,112.95 6.86,112.95 6.86,117.55 8.05,117.55 8.05,115.44 9.86,115.44 9.78,115.32 9.77,115.28 9.78,115.24 9.8,115.14 9.8,115.04 9.8,114.96 9.83,114.89 9.91,114.86 9.98,114.86 10.21,114.86 10.28,114.84 10.34,114.81 10.36,114.8 10.39,114.81 10.46,114.81 10.49,114.8 10.52,114.81 10.58,114.84 10.64,114.86 10.87,114.86 10.94,114.84 11,114.81 11.02,114.8 11.05,114.81 11.1,114.81 11.13,114.8 11.15,114.81 11.21,114.84 11.28,114.86 11.51,114.86 11.59,114.85 11.66,114.81 11.76,114.81 11.79,114.8 11.81,114.81 11.87,114.84 11.94,114.86 12.17,114.86 12.23,114.84 12.29,114.81 12.32,114.8 12.34,114.81 12.4,114.81 12.42,114.8 12.45,114.81 12.52,114.85 12.6,114.86 12.8,114.86 12.84,114.86 12.88,114.86 12.95,114.89 12.98,114.96 12.98,115.04 12.99,115.14 13.03,115.24 13.03,115.28 13,115.32 12.88,115.49 12.8,115.49 12.8,115.57 12.75,115.55 12.7,115.54 11.99,115.54 11.74,115.6 11.56,115.77 11.53,115.81 11.48,115.82 11.33,115.82 11.27,115.81 11.05,115.61 10.82,115.54 ; 1 cut-out
N1588336 on BOTTOM, L2: 6.86,112.95 6.86,117.55 8.05,117.55 8.05,115.44 10.06,115.44 10.06,117.55 12.75,117.55 12.75,115.44 14.76,115.44 14.76,117.55 15.95,117.55 15.95,112.95
GND on TOP (solid shape): 56.92,118.72 56.96,118.78 57.02,118.8 57.05,118.8 57.72,118.51 57.99,117.83 57.99,117.75 57.97,117.69 57.91,117.65 57.73,117.6 57.68,117.61 57.63,117.65 57.32,118.1 56.9,118.44 56.87,118.49 56.87,118.54
Net_24 on TOP (solid shape): 23.11,7.19 23.61,7.64 24.1,7.19 24.1,2.18 23.61,1.69 23.11,2.18
Net_25 on TOP (solid shape): 21.11,7.19 21.6,7.64 22.1,7.19 22.1,2.18 21.6,1.69 21.11,2.18
Net_26 on TOP (solid shape): 19.1,7.19 19.6,7.64 20.09,7.19 20.09,2.18 19.6,1.69 19.1,2.18
Net_27 on TOP (solid shape): 17.09,7.19 17.6,7.7 18.11,7.19 18.11,2.18 17.6,1.68 17.09,2.18
Net_28 on TOP (solid shape): 15.11,7.19 15.61,7.64 16.1,7.19 16.1,2.18 15.61,1.69 15.11,2.18
Net_29 on TOP (solid shape): 13.11,7.19 13.6,7.64 14.1,7.19 14.1,2.18 13.6,1.69 13.11,2.18
Net_30 on TOP (solid shape): 11.1,7.19 11.6,7.64 12.09,7.19 12.09,2.18 11.6,1.69 11.1,2.18
Net_31 on TOP (solid shape): 7.11,7.19 7.61,7.64 8.1,7.19 8.1,2.18 7.61,1.69 7.11,2.18
Net_31 on TOP (solid shape): 9.09,7.19 9.6,7.7 10.11,7.19 10.11,2.18 9.6,1.68 9.09,2.18
Net_32 on TOP (solid shape): 5.11,7.19 5.6,7.64 6.1,7.19 6.1,2.18 5.6,1.69 5.11,2.18
Net_33 on TOP (solid shape): 26.11,2.18 25.6,1.68 25.1,2.18 25.1,15.6 26.11,15.6

Small or netless copper shapes (teardrops, artwork), in the pictures only: 4 on TOP

## Text on the board
BOTTOM: 4 | Bottom Layer
Ref Des/Assembly Bottom: Assembly-Bottom | 2
Board Geometry/Soldermask Bottom: Soldermask-Bottom | 6
Package Geometry/Pastemask Bottom: Pastemask-Bottom | 10
Ref Des/Silkscreen Bottom: J1 | 1 | 10 | 21 | 30 | J3 | J4 | 31 | 40 | 11 | 20 | J2 | DIO23 | DIO3 | DIO2 | DIO22 | DIO24 | DIO1 | DIO25 | DIO27 | DIO28 | DIO29 | DIO30 | DIO26 | For evaluation only; not FCC approved for resale. | DIO7 | DIO6 | DIO20 | DIO19 | DIO18 | BPRST | NC | DIO9 | DIO8 | DIO12 | DIO11 | LPRST | DIO13 | DIO14 | DIO15 | DIO10 | DIO21 | DIO4 | DIO5 | TMS | TCK | DIO16 | DIO17 | 8 | Silkscreen-Bottom
User.Comments: BOARD NAME: | CUSTOMER: | PROJECT NO: | LAYER NAME: | BOARD REV: | RELEASE DATE: | SHEET NO: | OF | WCS034 | TEXAS INSTRUMENTS | LAUNCHXL-CC1350-4 | A | 2017-01-23 | 10
TOP: Top Layer | 1
Ref Des/Assembly Top: Assembly-Top | 1 | 2
Board Geometry/Soldermask Top: Soldermask-Top | 5
Package Geometry/Pastemask Top: Pastemask-Top | 9
Ref Des/Silkscreen Top: J1 | 10 | 1 | P2 | 21 | 30 | J3 | P6 | P4 | J4 | P7 | P5 | P10 | 40 | 31 | P1 | 20 | 11 | J2 | DIO23 | DIO22 | DIO24 | DIO3 | DIO2 | DIO13 | BTN-1 | DIO6 | Red: | DIO26 | DIO1 | DIO27 | DIO28 | DIO29 | DIO25 | DIO30 | Green: | DIO7 | CC1350 In | CC-ANTENNA-DK | Mount for: | XDS110 Out | BP | LP | DIO20 | DIO19 | DIO18 | BPRST | VSENSE | DIO14 | BTN-2 | XDS110 | Power | Extern. | Pwr. | LPRST | DIO8 | NC | DIO9 | DIO12 | DIO11 | DIO15 | DIO10 | DIO21 | DIO4 | DIO5 | DIO16 | DIO17 | TMS | TCK | RXD<< | TXD>> | RESET | Reset | TDO | TDI | SWO | Silkscreen-Top | 7 | CC1350 LaunchPad-433MHz | LAUNCHXL-CC1350-4 | Rev:A
L2: Layer-2 | 2
L3: Layer-3 | 3
XSECTION_CHART: *  SURFACE - AIR 0 MIL | L1: TOP CONDUCTOR - COPPER 1.4 MIL | *  DIELECTRIC - FR-4 6.9 MIL | L2: L2 PLANE - COPPER 1.4 MIL | *  DIELECTRIC - FR-4 43.7 MIL | L3: L3 CONDUCTOR - COPPER 1.4 MIL | L4: BOTTOM CONDUCTOR - COPPER 1.4 MIL | DESIGN CROSS SECTION CHART | ___________________________ | TOTAL THICKNESS 63.1 MIL | 1-4
DIMENSION: FAB NOTES: | 1. ALL DIMENSIONS ARE IN INCHES, UNLESS | OTHERWISE NOTED. | 2. THE PWB SHALL BE FABRICATED TO IPC-6012, | CLASS 2 AND WORKMANSHIP SHALL CONFORM TO | IPC-A-600, CLASS 2. CURRENT REVISIONS. | 3. BOARD MATERIAL SHALL BE 180 Tg/340 Td ISOLA | FR-370HR OR EQUIVALENT, RoHS/REACH COMPLIANT AND | LEAD FREE ASSEMBLY CAPABLE. BOARD MATERIAL | SHALL MEET OR EXCEED IPC-4101B. RoHS/REACH | CERTIFICATE OF CONFORMANCE SHALL BE DELIVERED | WITH EACH LOT. | 4. BOARD MATERIAL & CONSTRUCTION TO BE U.L. 94V-0 | APPROVED AND MARKED ON THE FINISHED BOARD.UL | GUIDE NUMBER SHOULD BE MARKED ON THE FINISHED | BOARD. | 5. OVERALL BOARD THICKNESS TO BE .063 +/-.005" | AND APPLIES AFTER ALL LAMINATION AND PLATING | PROCESSES, MEASURED FROM COPPER TO COPPER. | 6. MAX. WARP & TWIST TO BE .0075 PER INCH. | 7. BOARD MUST BE ELECTRICALLY TESTED USING | SUPPLIED IPC-D-356 NETLIST. | 8. 14 MIL TRACES ON LAYER 1 ARE 50 OHMS +/-10%. | THEY ARE REFERENCE TO LAYER 2 GROUND WITH | SOLDERMASK CLEAR AWAY. | PROCESS NOTES: | 1. APPLY LPI SOLDERMASK OVER BARE COPPER (SMOBC), | SOLDERMASK SHALL CONFORM TO IPC-SM-840. CLASS H. | CURRENT REV. COLOR OF MASK TO BE RED. | 2. PLATE ALL EXPOSED AREAS WITH ELECTROLESS NICKEL IMMERSION GOLD. | NICKEL:100 MICRO-INCHES MIN. GOLD:2-8 MICROINCHES MIN. | 3. SOLDERMASK ARTWORK HAS ZERO (0) OVERSIZED PADS. | FABRICATION VENDOR IS ALLOWED TO ADJUST THE COMPONENT SOLDERMASK | PADS TO MEET THEIR TOOLING REQUIREMENTS. | 4. APPLY NON-CONDUCTIVE LPI SILKSCREEN OR EQUIVALENT PER THE ARTWORK. | COLOR: WHITE. | 5. ALL VIAS ARE TENTED. | Fabrication Drawing | 1
DISPLAY_BOTTOM: FIGURE | SIZE | 8.0 | 10.0 | 16.0 | 41.0 | 43.0 | 126.0 | 35.0 | 39.0 | 51.0x24.0 | DRILL CHART: TOP to BOTTOM | ALL UNITS ARE IN MILS | PLATED | NON-PLATED | QTY | 1023 | 28 | 8 | 21 | 75 | 1 | 2 | 6 | 3 | 4
